# KiCad board spleeb.kicad_pcb (continued)
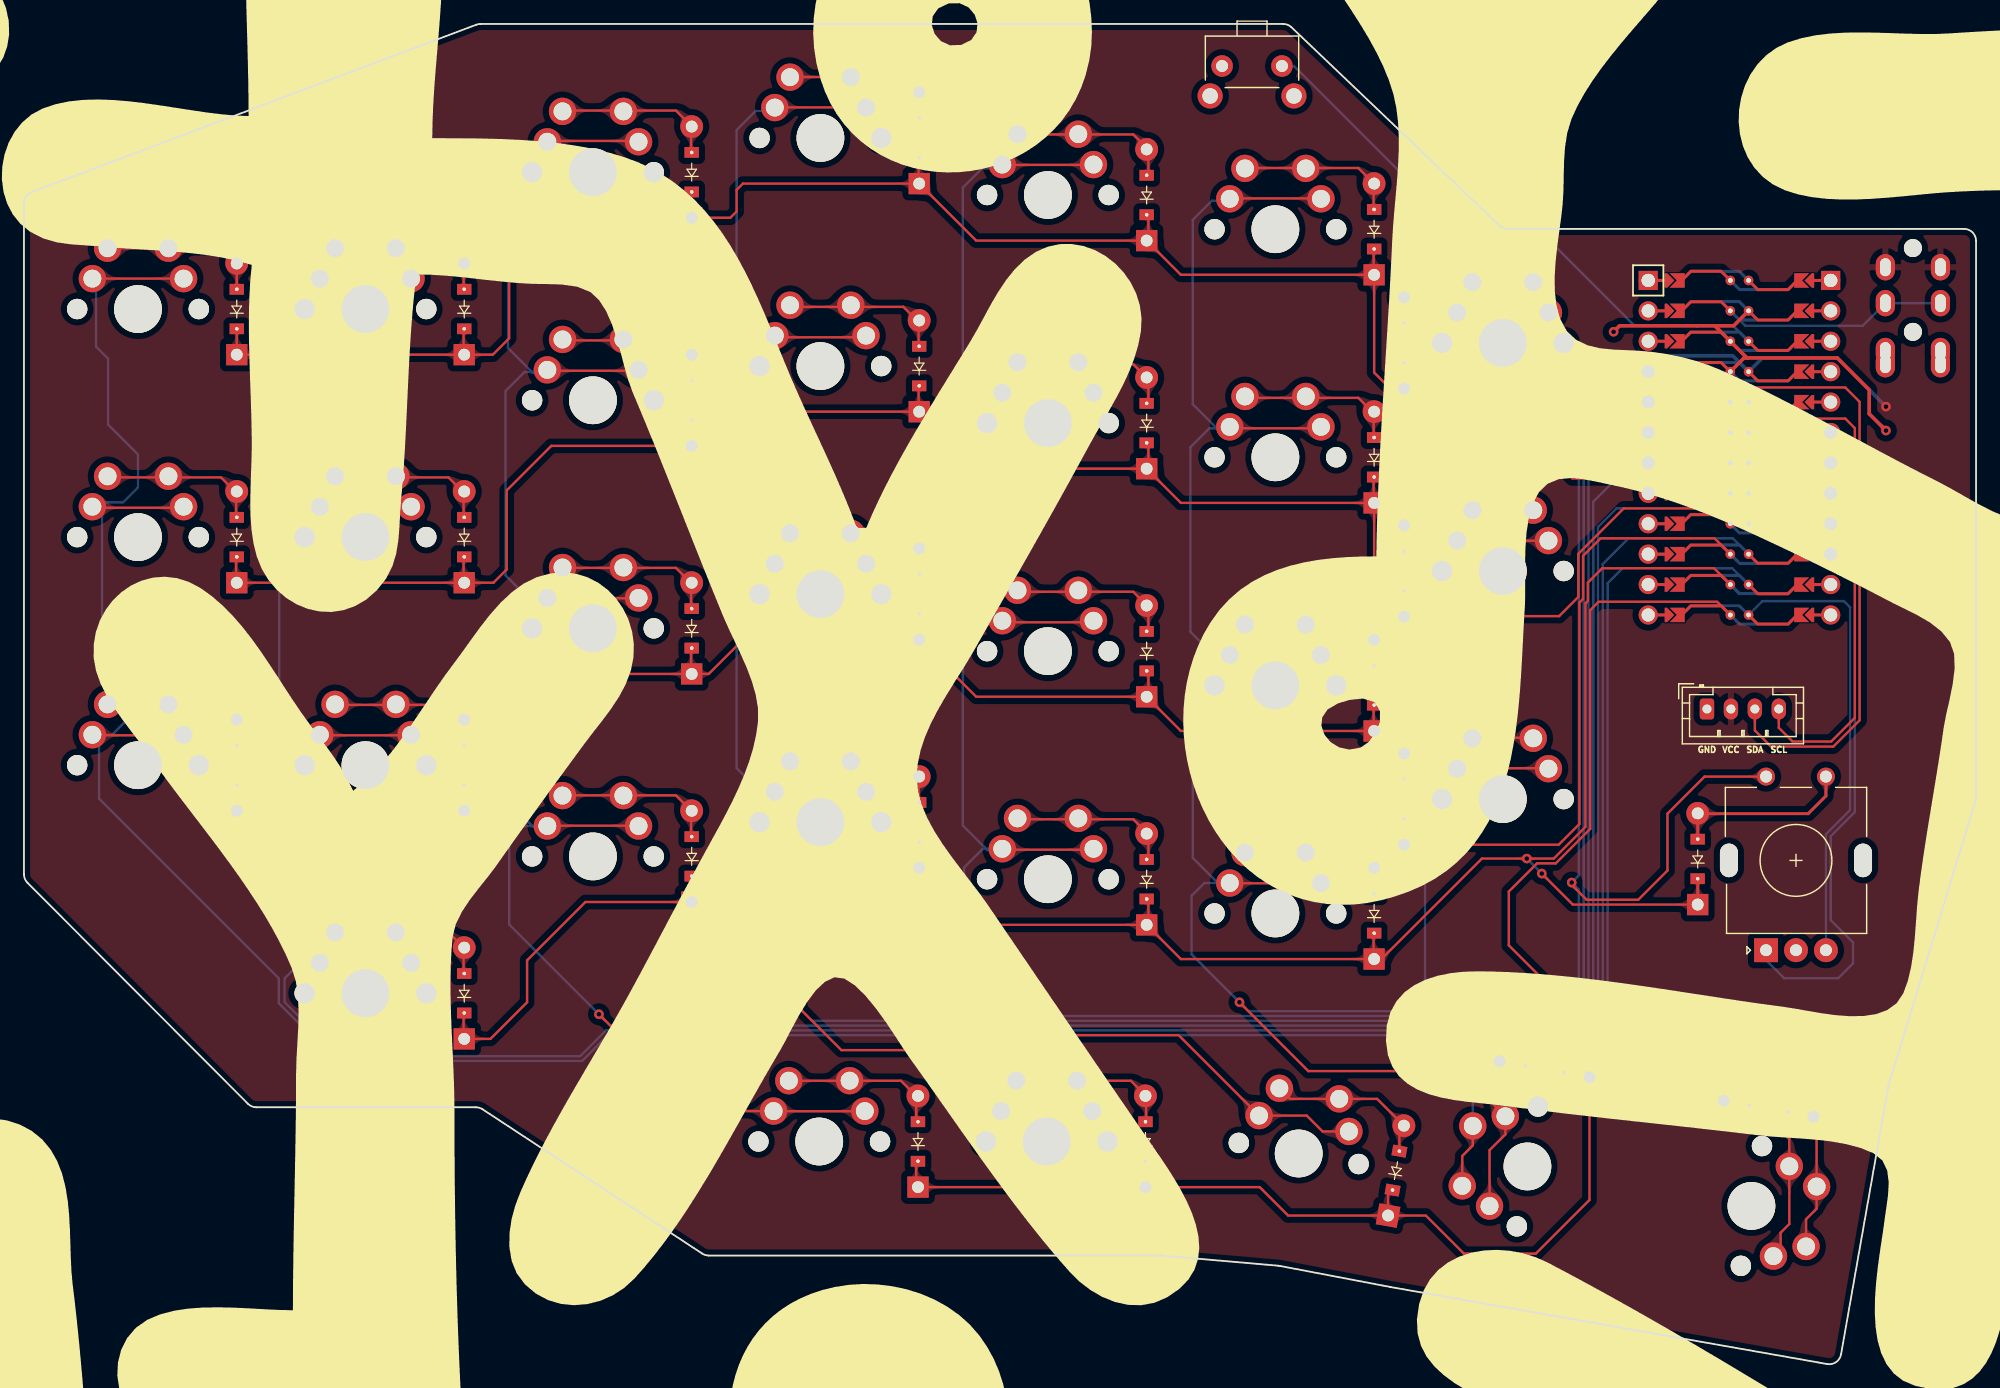
[diagram p0: board, top side]
## Copper pours and planes (outline as drawn; the poured copper is in the pictures) (continued)
middle_col on Bottom: 60.54,47.61 60.73,47.76 60.9,47.81 61.05,47.79 61.2,47.71 61.35,47.57 61.49,47.41 61.65,47.24 61.82,47.06 62.01,46.9 62.22,46.77 63.29,47.8 61.91,48.61 61.75,48.47 61.6,48.37 61.46,48.3 61.32,48.25 61.18,48.2 61.04,48.16 60.89,48.1 60.74,48.02 60.58,47.91 60.4,47.75
middle_col on Bottom: 60.65,67.2 60.82,67.04 60.96,66.9 61.09,66.78 61.2,66.69 61.41,66.51 61.51,66.41 61.63,66.31 61.76,66.19 61.91,66.04 63.27,66.97 62.01,67.75 61.88,67.64 61.64,67.42 61.52,67.32 61.41,67.24 61.29,67.19 61.17,67.16 61.05,67.18 60.93,67.23 60.8,67.34
middle_home on Top: 74.83,66.21 74.84,66.43 74.87,66.61 74.93,66.76 75,66.89 75.08,67 75.18,67.11 75.28,67.22 75.39,67.34 75.5,67.48 75.61,67.66 74.8,68.59 73.9,67.75 73.99,67.56 74.09,67.4 74.18,67.27 74.28,67.15 74.37,67.04 74.45,66.92 74.52,66.79 74.58,66.63 74.61,66.44 74.63,66.21
middle_home on Top: 73.34,69.2 73.54,69.18 73.68,69.11 73.76,69 73.8,68.86 73.81,68.7 73.81,68.51 73.81,68.32 73.81,68.11 73.85,67.91 73.91,67.71 75.15,67.82 74.78,69.07 74.6,69.08 74.44,69.11 74.32,69.14 74.2,69.19 74.09,69.24 73.97,69.28 73.85,69.33 73.71,69.37 73.54,69.39 73.34,69.4
middle_home on Top: 71.3,69.4 71.04,69.42 70.83,69.46 70.66,69.53 70.51,69.62 70.39,69.73 70.27,69.84 70.14,69.97 70.01,70.11 69.84,70.24 69.64,70.37 68.5,69.43 69.48,68.32 69.71,68.43 69.89,68.54 70.05,68.66 70.32,68.88 70.46,68.99 70.62,69.07 70.8,69.14 71.02,69.19 71.3,69.2
middle_home on Top: 66.78,69.2 67.06,69.19 67.29,69.14 67.48,69.08 67.64,68.99 67.78,68.89 68.06,68.66 68.22,68.54 68.42,68.43 68.65,68.32 69.63,69.43 68.49,70.38 68.28,70.24 68.12,70.11 67.97,69.97 67.84,69.84 67.72,69.72 67.59,69.62 67.44,69.53 67.26,69.46 67.05,69.42 66.78,69.4
middle_home on Top: 66.22,69.4 65.96,69.42 65.75,69.46 65.58,69.53 65.43,69.62 65.31,69.73 65.19,69.84 65.06,69.97 64.93,70.11 64.76,70.24 64.56,70.37 63.42,69.43 64.4,68.32 64.63,68.43 64.81,68.54 64.97,68.66 65.24,68.88 65.38,68.99 65.54,69.07 65.72,69.14 65.94,69.19 66.22,69.2
middle_number on Top: 73.39,107.4 73.59,107.38 73.72,107.31 73.8,107.2 73.84,107.06 73.84,106.89 73.83,106.7 73.82,106.5 73.81,106.29 73.83,106.08 73.88,105.88 75.12,105.89 74.78,107.17 74.6,107.18 74.45,107.22 74.33,107.26 74.22,107.32 74.11,107.39 74,107.45 73.89,107.51 73.75,107.56 73.59,107.59 73.39,107.6
middle_number on Top: 74.83,104.33 74.84,104.55 74.87,104.73 74.93,104.88 75,105 75.09,105.11 75.18,105.22 75.29,105.32 75.39,105.44 75.5,105.59 75.61,105.76 74.8,106.69 73.9,105.85 73.99,105.66 74.08,105.51 74.18,105.38 74.28,105.26 74.37,105.15 74.45,105.03 74.52,104.9 74.58,104.74 74.61,104.56 74.63,104.33
middle_number on Top: 71.3,107.6 71.03,107.62 70.81,107.66 70.64,107.73 70.49,107.82 70.35,107.92 70.23,108.04 70.09,108.16 69.94,108.28 69.77,108.41 69.55,108.52 68.49,107.48 69.57,106.47 69.79,106.59 69.96,106.71 70.11,106.84 70.24,106.96 70.36,107.08 70.49,107.18 70.64,107.27 70.82,107.34 71.03,107.39 71.3,107.4
middle_number on Top: 66.77,107.4 67.04,107.39 67.27,107.34 67.45,107.27 67.6,107.19 67.74,107.08 67.87,106.97 68.01,106.84 68.16,106.72 68.34,106.59 68.56,106.47 69.64,107.48 68.58,108.52 68.36,108.4 68.17,108.28 68.02,108.15 67.88,108.03 67.75,107.92 67.61,107.81 67.45,107.73 67.27,107.66 67.05,107.62 66.77,107.6
middle_number on Top: 66.22,107.6 65.95,107.62 65.73,107.66 65.56,107.73 65.41,107.82 65.27,107.92 65.15,108.04 65.01,108.16 64.86,108.28 64.69,108.41 64.47,108.52 63.41,107.48 64.49,106.47 64.71,106.59 64.88,106.71 65.03,106.84 65.16,106.96 65.28,107.08 65.41,107.18 65.56,107.27 65.74,107.34 65.95,107.39 66.22,107.4
middle_top on Top: 71.3,88.4 71.04,88.42 70.83,88.46 70.67,88.53 70.53,88.62 70.4,88.73 70.29,88.85 70.17,88.98 70.04,89.12 69.88,89.26 69.69,89.4 68.5,88.51 69.43,87.36 69.67,87.45 69.86,87.56 70.02,87.67 70.17,87.78 70.3,87.89 70.45,87.99 70.61,88.07 70.79,88.14 71.02,88.19 71.3,88.2
middle_top on Top: 73.34,88.2 73.54,88.18 73.67,88.11 73.76,88 73.8,87.86 73.81,87.7 73.81,87.52 73.81,87.32 73.82,87.12 73.86,86.92 73.93,86.73 75.16,86.89 74.78,88.12 74.6,88.13 74.45,88.15 74.32,88.18 74.2,88.22 74.09,88.26 73.97,88.3 73.85,88.34 73.71,88.37 73.54,88.39 73.34,88.4
middle_top on Top: 66.78,88.2 67.07,88.19 67.3,88.14 67.49,88.08 67.65,87.99 67.8,87.89 67.94,87.79 68.09,87.67 68.26,87.56 68.45,87.45 68.69,87.36 69.63,88.51 68.45,89.4 68.25,89.26 68.09,89.12 67.95,88.98 67.83,88.85 67.71,88.73 67.58,88.62 67.43,88.53 67.26,88.46 67.04,88.42 66.78,88.4
middle_top on Top: 74.83,85.26 74.84,85.48 74.87,85.66 74.93,85.81 75,85.94 75.08,86.05 75.18,86.16 75.28,86.27 75.39,86.39 75.5,86.53 75.61,86.71 74.8,87.64 73.9,86.8 73.99,86.61 74.09,86.45 74.18,86.32 74.28,86.2 74.37,86.09 74.45,85.97 74.52,85.84 74.58,85.68 74.61,85.49 74.63,85.26
middle_top on Top: 66.22,88.4 65.96,88.42 65.75,88.46 65.59,88.53 65.45,88.62 65.32,88.73 65.21,88.85 65.09,88.98 64.96,89.12 64.8,89.26 64.61,89.4 63.42,88.51 64.35,87.36 64.59,87.45 64.78,87.56 64.94,87.67 65.09,87.78 65.22,87.89 65.37,87.99 65.53,88.07 65.71,88.14 65.94,88.19 66.22,88.2
mod_one_mods on Top: 71.1,23.76 70.84,23.78 70.64,23.82 70.47,23.89 70.34,23.98 70.21,24.09 70.1,24.21 69.98,24.33 69.84,24.45 69.67,24.58 69.47,24.69 68.39,23.67 69.46,22.64 69.66,22.75 69.83,22.87 69.97,22.99 70.09,23.12 70.21,23.23 70.33,23.34 70.47,23.43 70.64,23.5 70.84,23.54 71.1,23.56
mod_one_mods on Top: 66.67,23.56 66.95,23.55 67.17,23.5 67.35,23.43 67.51,23.35 67.65,23.24 67.78,23.13 67.92,23.01 68.07,22.88 68.25,22.76 68.47,22.64 69.54,23.67 68.46,24.69 68.24,24.57 68.06,24.44 67.91,24.32 67.77,24.19 67.64,24.08 67.51,23.98 67.35,23.89 67.17,23.82 66.95,23.78 66.67,23.76
mod_one_mods on Top: 74.63,20.5 74.64,20.71 74.67,20.89 74.73,21.03 74.8,21.15 74.89,21.26 74.99,21.36 75.1,21.46 75.22,21.57 75.34,21.7 75.46,21.85 74.75,22.87 73.76,22.12 73.84,21.92 73.92,21.75 74.01,21.61 74.09,21.48 74.18,21.36 74.26,21.23 74.32,21.1 74.38,20.93 74.41,20.74 74.43,20.5
mod_one_mods on Top: 73.25,23.56 73.46,23.53 73.6,23.46 73.68,23.35 73.72,23.2 73.73,23.02 73.72,22.83 73.71,22.62 73.71,22.4 73.75,22.19 73.82,21.98 75.05,22.1 74.68,23.35 74.49,23.36 74.34,23.39 74.22,23.44 74.1,23.5 73.99,23.56 73.88,23.62 73.76,23.67 73.62,23.72 73.45,23.75 73.25,23.76
mod_one_mods on Top: 66.02,23.76 65.76,23.78 65.56,23.82 65.39,23.89 65.26,23.98 65.13,24.09 65.02,24.21 64.9,24.33 64.76,24.45 64.59,24.58 64.39,24.69 63.31,23.67 64.38,22.64 64.58,22.75 64.75,22.87 64.89,22.99 65.01,23.12 65.13,23.23 65.25,23.34 65.39,23.43 65.56,23.5 65.76,23.54 66.02,23.56
mod_two_mods on Top: 93.83,20.49 93.84,20.72 93.87,20.91 93.93,21.07 94,21.2 94.08,21.32 94.17,21.43 94.27,21.55 94.36,21.68 94.46,21.84 94.55,22.03 93.65,22.87 92.84,21.94 92.95,21.76 93.06,21.62 93.17,21.5 93.27,21.39 93.37,21.28 93.45,21.17 93.52,21.04 93.58,20.89 93.61,20.71 93.63,20.49
mod_two_mods on Top: 92.34,23.56 92.53,23.54 92.65,23.47 92.73,23.37 92.76,23.24 92.76,23.08 92.75,22.9 92.73,22.71 92.72,22.51 92.73,22.31 92.77,22.12 94,22.05 93.68,23.35 93.51,23.36 93.36,23.39 93.24,23.44 93.14,23.5 93.04,23.56 92.93,23.62 92.82,23.67 92.69,23.72 92.53,23.75 92.34,23.76
mod_two_mods on Top: 90.26,23.76 89.98,23.78 89.76,23.82 89.58,23.89 89.42,23.98 89.29,24.08 89.16,24.19 89.02,24.32 88.87,24.44 88.69,24.57 88.47,24.69 87.39,23.67 88.46,22.64 88.68,22.76 88.86,22.88 89.01,23.01 89.15,23.13 89.28,23.24 89.42,23.35 89.58,23.43 89.76,23.5 89.98,23.55 90.26,23.56
mod_two_mods on Top: 85.73,23.56 86,23.55 86.22,23.5 86.39,23.43 86.54,23.34 86.68,23.24 86.8,23.12 86.93,23 87.08,22.88 87.26,22.75 87.47,22.64 88.54,23.67 87.46,24.69 87.25,24.57 87.07,24.45 86.93,24.32 86.8,24.2 86.67,24.08 86.54,23.98 86.39,23.89 86.21,23.82 86,23.78 85.73,23.76
mod_two_mods on Top: 85.18,23.76 84.9,23.78 84.68,23.82 84.5,23.89 84.34,23.98 84.21,24.08 84.08,24.19 83.94,24.32 83.79,24.44 83.61,24.57 83.39,24.69 82.31,23.67 83.38,22.64 83.6,22.76 83.78,22.88 83.93,23.01 84.07,23.13 84.2,23.24 84.34,23.35 84.5,23.43 84.68,23.5 84.9,23.55 85.18,23.56
mods_row on Top: 95.44,14.88 95.23,14.89 95.06,14.92 94.92,14.97 94.8,15.04 94.69,15.12 94.59,15.2 94.49,15.3 94.37,15.39 94.23,15.49 94.06,15.58 93.23,14.78 94.06,13.98 94.23,14.07 94.37,14.17 94.49,14.26 94.59,14.35 94.69,14.44 94.8,14.52 94.92,14.58 95.06,14.63 95.23,14.67 95.44,14.68
mods_row on Top: 76.44,14.88 76.23,14.89 76.06,14.92 75.92,14.97 75.8,15.04 75.69,15.12 75.59,15.2 75.49,15.3 75.37,15.39 75.23,15.49 75.06,15.58 74.23,14.78 75.06,13.98 75.23,14.07 75.37,14.17 75.49,14.26 75.59,14.35 75.69,14.44 75.8,14.52 75.92,14.58 76.06,14.63 76.23,14.67 76.44,14.68
mods_row on Top: 115.71,12.5 115.5,12.52 115.33,12.55 115.18,12.6 115.06,12.66 114.96,12.74 114.86,12.83 114.75,12.92 114.63,13.02 114.49,13.11 114.33,13.2 113.49,12.4 114.33,11.6 114.49,11.7 114.63,11.79 114.75,11.89 114.86,11.98 114.96,12.07 115.06,12.14 115.18,12.21 115.33,12.26 115.5,12.29 115.71,12.3
mods_row on Top: 93.63,16.54 93.61,16.33 93.58,16.17 93.53,16.03 93.46,15.91 93.38,15.81 93.3,15.71 93.2,15.61 93.1,15.5 93,15.37 92.9,15.21 93.65,14.33 94.5,15.12 94.41,15.29 94.32,15.44 94.23,15.56 94.14,15.67 94.06,15.78 93.98,15.89 93.92,16.01 93.87,16.15 93.84,16.33 93.83,16.54
mods_row on Top: 91.91,14.68 92.12,14.67 92.29,14.63 92.43,14.58 92.55,14.52 92.66,14.44 92.76,14.35 92.86,14.26 92.98,14.17 93.12,14.07 93.29,13.98 94.12,14.78 93.29,15.58 93.12,15.49 92.98,15.39 92.86,15.3 92.76,15.2 92.66,15.12 92.55,15.04 92.43,14.97 92.29,14.92 92.12,14.89 91.91,14.88
mods_row on Top: 130.86,22.2 130.87,22.41 130.91,22.58 130.96,22.72 131.02,22.84 131.1,22.95 131.19,23.05 131.28,23.16 131.37,23.27 131.47,23.41 131.56,23.58 130.76,24.41 129.96,23.58 130.05,23.41 130.15,23.27 130.24,23.16 130.34,23.05 130.42,22.95 130.5,22.84 130.57,22.72 130.62,22.58 130.65,22.41 130.66,22.2
mods_row on Top: 113.89,14.25 113.77,14.11 113.68,13.98 113.63,13.85 113.6,13.73 113.58,13.62 113.56,13.5 113.53,13.39 113.49,13.27 113.42,13.16 113.31,13.03 113.94,11.96 114.74,12.79 114.63,12.96 114.5,13.11 114.36,13.24 114.21,13.36 114.08,13.47 113.97,13.59 113.89,13.7 113.87,13.82 113.91,13.96 114.03,14.1
mods_row on Top: 143.67,21.72 143.49,21.73 143.35,21.76 143.23,21.81 143.14,21.88 143.06,21.97 142.98,22.07 142.91,22.18 142.84,22.3 142.76,22.42 142.66,22.56 141.57,22.18 141.99,21.1 142.2,21.12 142.37,21.15 142.53,21.2 142.66,21.26 142.79,21.32 142.93,21.38 143.07,21.43 143.24,21.48 143.44,21.51 143.67,21.52
mods_row on Top: 129.06,24.24 129.24,24.23 129.38,24.2 129.5,24.15 129.59,24.08 129.67,23.99 129.75,23.89 129.82,23.78 129.89,23.66 129.97,23.54 130.08,23.4 131.17,23.78 130.74,24.86 130.53,24.84 130.36,24.81 130.2,24.76 130.07,24.7 129.94,24.64 129.8,24.58 129.66,24.53 129.49,24.48 129.3,24.45 129.06,24.44
mods_row on Top: 112.17,12.3 112.38,12.29 112.55,12.26 112.69,12.21 112.81,12.14 112.92,12.07 113.02,11.98 113.13,11.89 113.24,11.79 113.38,11.7 113.55,11.6 114.38,12.4 113.55,13.2 113.38,13.11 113.24,13.02 113.13,12.92 113.02,12.83 112.92,12.74 112.81,12.66 112.69,12.6 112.55,12.55 112.38,12.52 112.17,12.5
mods_row on Top: 74.43,16.54 74.41,16.32 74.38,16.14 74.33,15.98 74.27,15.85 74.2,15.74 74.12,15.62 74.04,15.5 73.96,15.37 73.89,15.21 73.82,15.02 74.75,14.34 75.4,15.3 75.28,15.44 75.17,15.56 75.06,15.66 74.96,15.75 74.87,15.84 74.79,15.94 74.72,16.05 74.67,16.18 74.64,16.34 74.63,16.54
mods_row on Top: 132.53,24.07 132.32,24.08 132.15,24.11 132.01,24.16 131.89,24.23 131.78,24.31 131.68,24.39 131.57,24.48 131.46,24.58 131.32,24.68 131.15,24.77 130.32,23.97 131.15,23.17 131.32,23.26 131.46,23.36 131.57,23.45 131.68,23.54 131.78,23.63 131.89,23.71 132.01,23.77 132.15,23.82 132.32,23.86 132.53,23.87
mods_row on Top: 140.2,21.89 140.41,21.88 140.58,21.85 140.72,21.8 140.84,21.73 140.95,21.65 141.05,21.57 141.16,21.48 141.27,21.38 141.41,21.28 141.58,21.19 142.41,21.99 141.58,22.79 141.41,22.7 141.27,22.6 141.16,22.51 141.05,22.42 140.95,22.33 140.84,22.25 140.72,22.19 140.58,22.14 140.41,22.1 140.2,22.09
near_mods on Top: 112.14,22.25 111.87,22.27 111.65,22.31 111.46,22.38 111.31,22.46 111.17,22.57 111.04,22.68 110.91,22.81 110.76,22.93 110.58,23.06 110.36,23.18 109.29,22.15 110.36,21.12 110.58,21.24 110.76,21.37 110.91,21.49 111.04,21.62 111.17,21.73 111.31,21.84 111.46,21.92 111.65,21.99 111.87,22.03 112.14,22.05
near_mods on Top: 106.78,22.25 106.59,22.27 106.44,22.31 106.32,22.39 106.23,22.49 106.17,22.61 106.12,22.74 106.07,22.9 106.03,23.06 105.99,23.23 105.93,23.41 104.45,23.43 104.86,21.89 105.09,21.89 105.29,21.91 105.47,21.92 105.63,21.95 105.93,21.99 106.1,22.02 106.29,22.03 106.52,22.05 106.78,22.05
near_mods on Top: 114.99,18.07 115,18.27 115.03,18.42 115.09,18.55 115.17,18.65 115.26,18.74 115.36,18.82 115.48,18.9 115.61,18.98 115.75,19.08 115.89,19.19 115.45,20.35 114.31,19.86 114.33,19.64 114.38,19.45 114.43,19.29 114.5,19.14 114.56,19 114.63,18.86 114.69,18.71 114.74,18.53 114.77,18.32 114.79,18.07
near_mods on Top: 113.85,21.18 114,21.01 114.1,20.86 114.17,20.71 114.21,20.57 114.23,20.43 114.24,20.29 114.25,20.14 114.27,19.97 114.3,19.79 114.36,19.6 115.6,19.57 115.57,20.81 115.38,20.87 115.2,20.9 115.03,20.92 114.88,20.92 114.74,20.94 114.6,20.96 114.46,21 114.31,21.07 114.16,21.17 113.99,21.32
near_mods on Top: 107.58,22.05 107.85,22.03 108.07,21.99 108.25,21.92 108.41,21.84 108.54,21.73 108.67,21.62 108.81,21.49 108.96,21.37 109.14,21.24 109.36,21.12 110.43,22.15 109.36,23.18 109.14,23.06 108.96,22.93 108.81,22.81 108.67,22.68 108.54,22.57 108.41,22.46 108.25,22.38 108.07,22.31 107.85,22.27 107.58,22.25
number_row on Top: 111.01,90.88 111.22,90.87 111.39,90.83 111.53,90.78 111.65,90.72 111.76,90.64 111.86,90.55 111.96,90.46 112.08,90.37 112.22,90.27 112.39,90.18 113.22,90.98 112.39,91.78 112.22,91.69 112.08,91.59 111.96,91.5 111.86,91.4 111.76,91.32 111.65,91.24 111.53,91.17 111.39,91.12 111.22,91.09 111.01,91.08
number_row on Top: 19.54,84.41 19.33,84.42 19.16,84.46 19.02,84.51 18.9,84.57 18.79,84.65 18.69,84.74 18.59,84.83 18.47,84.92 18.33,85.02 18.16,85.11 17.33,84.31 18.16,83.51 18.33,83.6 18.47,83.7 18.59,83.79 18.69,83.89 18.79,83.97 18.9,84.05 19.02,84.12 19.16,84.17 19.33,84.2 19.54,84.21
number_row on Top: 38.54,84.41 38.33,84.42 38.16,84.46 38.02,84.51 37.9,84.57 37.79,84.65 37.69,84.74 37.59,84.83 37.47,84.92 37.33,85.02 37.16,85.11 36.33,84.31 37.16,83.51 37.33,83.6 37.47,83.7 37.59,83.79 37.69,83.89 37.79,83.97 37.9,84.05 38.02,84.12 38.16,84.17 38.33,84.2 38.54,84.21
number_row on Top: 92.01,93.74 92.22,93.72 92.39,93.69 92.53,93.64 92.65,93.58 92.76,93.5 92.86,93.41 92.96,93.32 93.08,93.22 93.22,93.13 93.39,93.04 94.22,93.84 93.39,94.64 93.22,94.54 93.08,94.45 92.96,94.35 92.86,94.26 92.76,94.17 92.65,94.1 92.53,94.03 92.39,93.98 92.22,93.95 92.01,93.94
number_row on Top: 93.83,95.58 93.81,95.38 93.78,95.22 93.73,95.1 93.66,94.99 93.58,94.89 93.49,94.8 93.39,94.71 93.28,94.61 93.17,94.5 93.05,94.36 93.7,93.4 94.63,94.08 94.57,94.27 94.49,94.42 94.41,94.56 94.33,94.67 94.25,94.79 94.18,94.9 94.12,95.03 94.07,95.18 94.04,95.36 94.03,95.58
number_row on Top: 112.63,92.76 112.61,92.54 112.58,92.37 112.53,92.22 112.47,92.1 112.39,91.99 112.31,91.88 112.22,91.77 112.13,91.64 112.04,91.5 111.95,91.32 112.8,90.53 113.55,91.41 113.45,91.57 113.35,91.71 113.25,91.82 113.15,91.92 113.06,92.02 112.99,92.12 112.92,92.24 112.87,92.38 112.84,92.55 112.83,92.76
number_row on Top: 55.63,97.52 55.61,97.3 55.58,97.13 55.53,96.98 55.47,96.86 55.39,96.75 55.31,96.64 55.22,96.53 55.13,96.41 55.04,96.26 54.95,96.08 55.8,95.3 56.55,96.17 56.45,96.33 56.35,96.47 56.25,96.58 56.15,96.68 56.06,96.78 55.99,96.89 55.92,97 55.87,97.14 55.84,97.31 55.83,97.52
number_row on Top: 117.04,81.58 116.83,81.59 116.66,81.62 116.52,81.67 116.4,81.74 116.29,81.82 116.19,81.9 116.09,82 115.97,82.09 115.83,82.19 115.66,82.28 114.83,81.48 115.66,80.68 115.83,80.77 115.97,80.87 116.09,80.96 116.19,81.05 116.29,81.14 116.4,81.22 116.52,81.28 116.66,81.33 116.83,81.37 117.04,81.38
number_row on Top: 36.63,86.09 36.61,85.87 36.58,85.7 36.53,85.55 36.47,85.43 36.39,85.32 36.31,85.21 36.22,85.1 36.13,84.98 36.04,84.83 35.95,84.65 36.8,83.87 37.55,84.74 37.45,84.9 37.35,85.04 37.25,85.15 37.15,85.25 37.06,85.35 36.99,85.46 36.92,85.57 36.87,85.71 36.84,85.88 36.83,86.09
number_row on Top: 112.88,89.21 112.89,89.42 112.92,89.59 112.97,89.73 113.04,89.85 113.11,89.96 113.2,90.06 113.29,90.17 113.39,90.28 113.48,90.42 113.58,90.59 112.78,91.42 111.97,90.59 112.07,90.42 112.16,90.28 112.26,90.17 112.35,90.06 112.44,89.96 112.51,89.85 112.58,89.73 112.63,89.59 112.66,89.42 112.68,89.21
number_row on Top: 74.63,100.38 74.61,100.16 74.58,99.99 74.53,99.84 74.47,99.72 74.39,99.61 74.31,99.5 74.22,99.39 74.13,99.26 74.04,99.12 73.95,98.94 74.8,98.15 75.55,99.03 75.45,99.19 75.35,99.33 75.25,99.44 75.15,99.54 75.06,99.64 74.99,99.74 74.92,99.86 74.87,100 74.84,100.17 74.83,100.38
number_row on Top: 115.18,83.25 115.16,83.04 115.13,82.87 115.08,82.72 115.01,82.6 114.94,82.5 114.85,82.4 114.76,82.29 114.66,82.17 114.57,82.03 114.47,81.87 115.28,81.03 116.08,81.87 115.98,82.03 115.89,82.17 115.79,82.29 115.7,82.4 115.61,82.5 115.54,82.6 115.47,82.72 115.42,82.87 115.39,83.04 115.38,83.25
number_row on Top: 57.54,95.84 57.33,95.85 57.16,95.89 57.02,95.94 56.9,96 56.79,96.08 56.69,96.17 56.59,96.26 56.47,96.35 56.33,96.45 56.16,96.54 55.33,95.74 56.16,94.94 56.33,95.03 56.47,95.13 56.59,95.22 56.69,95.32 56.79,95.4 56.9,95.48 57.02,95.55 57.16,95.6 57.33,95.63 57.54,95.64
number_row on Top: 76.1,97.42 75.96,97.58 75.86,97.72 75.79,97.86 75.76,97.99 75.73,98.12 75.72,98.25 75.71,98.39 75.7,98.54 75.67,98.71 75.61,98.89 74.46,98.91 74.48,97.76 74.67,97.71 74.83,97.67 74.98,97.66 75.12,97.65 75.26,97.64 75.39,97.62 75.52,97.58 75.65,97.52 75.8,97.42 75.96,97.28
number_row on Top: 73.01,98.5 73.22,98.49 73.39,98.45 73.53,98.4 73.65,98.34 73.76,98.26 73.86,98.17 73.96,98.08 74.08,97.99 74.22,97.89 74.39,97.8 75.22,98.6 74.39,99.4 74.22,99.31 74.08,99.21 73.96,99.12 73.86,99.02 73.76,98.94 73.65,98.86 73.53,98.79 73.39,98.74 73.22,98.71 73.01,98.7
number_row on Top: 35.01,84.21 35.22,84.2 35.39,84.17 35.53,84.12 35.65,84.05 35.76,83.97 35.86,83.89 35.96,83.79 36.08,83.7 36.22,83.6 36.39,83.51 37.22,84.31 36.39,85.11 36.22,85.02 36.08,84.92 35.96,84.83 35.86,84.74 35.76,84.65 35.65,84.57 35.53,84.51 35.39,84.46 35.22,84.42 35.01,84.41
number_row on Top: 95.1,92.66 94.96,92.81 94.86,92.96 94.79,93.09 94.76,93.22 94.73,93.35 94.72,93.49 94.71,93.63 94.7,93.78 94.67,93.94 94.61,94.13 93.46,94.15 93.48,93 93.67,92.94 93.83,92.91 93.98,92.9 94.12,92.89 94.26,92.88 94.39,92.86 94.52,92.82 94.65,92.75 94.8,92.65 94.96,92.51
number_row on Top: 17.68,86.08 17.66,85.87 17.63,85.7 17.58,85.56 17.51,85.44 17.44,85.33 17.35,85.23 17.26,85.12 17.16,85.01 17.07,84.87 16.97,84.7 17.78,83.87 18.58,84.7 18.48,84.87 18.39,85.01 18.29,85.12 18.2,85.23 18.11,85.33 18.04,85.44 17.97,85.56 17.92,85.7 17.89,85.87 17.88,86.08
number_row on Top: 54.01,95.64 54.22,95.63 54.39,95.6 54.53,95.55 54.65,95.48 54.76,95.4 54.86,95.32 54.96,95.22 55.08,95.13 55.22,95.03 55.39,94.94 56.22,95.74 55.39,96.54 55.22,96.45 55.08,96.35 54.96,96.26 54.86,96.17 54.76,96.08 54.65,96 54.53,95.94 54.39,95.89 54.22,95.85 54.01,95.84
number_row on Top: 113.61,81.85 113.75,81.71 113.87,81.59 113.97,81.49 114.32,81.17 114.41,81.08 114.52,80.97 114.65,80.85 115.72,81.48 114.89,82.28 114.75,82.2 114.63,82.12 114.51,82.04 114.4,81.96 114.3,81.89 114.19,81.85 114.09,81.83 113.98,81.84 113.87,81.89 113.75,81.99
outer_col on Top: 11.04,52.42 11.32,52.41 11.54,52.36 11.73,52.29 11.89,52.21 12.03,52.11 12.16,51.99 12.3,51.87 12.46,51.75 12.65,51.63 12.87,51.52 13.91,52.58 12.8,53.57 12.59,53.44 12.41,53.31 12.26,53.18 12.13,53.06 12,52.94 11.87,52.84 11.71,52.75 11.53,52.68 11.31,52.64 11.04,52.62
outer_col on Top: 8,90.76 7.73,90.78 7.5,90.82 7.32,90.89 7.17,90.98 7.03,91.08 6.9,91.19 6.76,91.32 6.61,91.44 6.43,91.57 6.21,91.69 5.14,90.66 6.21,89.63 6.43,89.75 6.61,89.88 6.76,90.01 6.9,90.13 7.03,90.24 7.17,90.35 7.32,90.43 7.5,90.5 7.73,90.55 8,90.56
outer_col on Top: 11.05,71.42 11.33,71.41 11.56,71.36 11.75,71.3 11.91,71.21 12.05,71.11 12.33,70.88 12.5,70.77 12.69,70.65 12.92,70.55 13.9,71.66 12.76,72.6 12.55,72.46 12.38,72.33 12.24,72.19 12.11,72.06 11.99,71.94 11.86,71.84 11.71,71.75 11.53,71.68 11.32,71.64 11.05,71.62
outer_col on Top: 7.95,71.62 7.69,71.64 7.48,71.68 7.31,71.75 7.16,71.84 7.04,71.95 6.92,72.06 6.8,72.19 6.66,72.33 6.5,72.46 6.3,72.6 5.15,71.66 6.13,70.54 6.35,70.65 6.54,70.76 6.7,70.88 6.97,71.1 7.11,71.21 7.27,71.29 7.45,71.36 7.67,71.41 7.95,71.42
outer_col on Top: 7.95,52.62 7.68,52.64 7.47,52.68 7.3,52.75 7.15,52.84 7.02,52.94 6.9,53.06 6.77,53.19 6.63,53.32 6.46,53.45 6.25,53.57 5.14,52.58 6.18,51.51 6.4,51.63 6.58,51.75 6.73,51.87 6.86,51.99 6.99,52.1 7.13,52.2 7.28,52.29 7.46,52.36 7.68,52.41 7.95,52.42
outer_col on Top: 11.05,90.56 11.32,90.55 11.55,90.5 11.73,90.43 11.88,90.35 12.02,90.24 12.15,90.13 12.29,90.01 12.44,89.88 12.62,89.75 12.84,89.63 13.91,90.66 12.84,91.69 12.62,91.57 12.44,91.44 12.29,91.32 12.15,91.19 12.02,91.08 11.88,90.98 11.73,90.89 11.55,90.82 11.32,90.78 11.05,90.76
outer_col on Bottom: 7.55,52.89 7.4,52.77 7.26,52.73 7.14,52.75 7.02,52.82 6.91,52.93 6.79,53.06 6.67,53.21 6.53,53.35 6.38,53.48 6.21,53.59 5.14,52.56 6.52,51.75 6.66,51.88 6.78,51.99 6.89,52.08 6.99,52.16 7.19,52.3 7.29,52.38 7.41,52.48 7.54,52.6 7.69,52.75
outer_col on Bottom: 6.13,88.41 6.14,88.7 6.18,88.95 6.25,89.15 6.33,89.32 6.42,89.48 6.51,89.64 6.61,89.8 6.7,89.98 6.78,90.2 6.84,90.46 5.56,91.21 4.86,89.9 5.02,89.74 5.18,89.6 5.33,89.48 5.47,89.38 5.59,89.27 5.71,89.16 5.8,89.02 5.87,88.86 5.91,88.66 5.93,88.41
outer_col on Bottom: 7.95,72.07 7.65,72.09 7.41,72.13 7.2,72.19 7.02,72.27 6.86,72.36 6.7,72.45 6.54,72.54 6.35,72.62 6.13,72.69 5.87,72.74 5.17,71.43 6.51,70.79 6.67,70.96 6.79,71.12 6.91,71.27 7.01,71.41 7.11,71.54 7.22,71.65 7.35,71.74 7.51,71.81 7.71,71.86 7.95,71.87
outer_col on Bottom: 6.63,69.65 6.63,69.92 6.65,70.15 6.68,70.35 6.71,70.52 6.74,70.67 6.78,70.83 6.81,70.99 6.83,71.17 6.85,71.37 6.86,71.61 5.31,72.02 5.34,70.53 5.51,70.48 5.68,70.43 5.83,70.38 5.98,70.34 6.1,70.28 6.21,70.21 6.3,70.11 6.37,69.99 6.41,69.84 6.43,69.65
outer_col on Bottom: 6.38,50.42 6.39,50.72 6.43,50.97 6.48,51.18 6.55,51.37 6.62,51.53 6.69,51.7 6.75,51.87 6.81,52.07 6.84,52.29 6.86,52.56 5.44,53.06 5.06,51.62 5.24,51.51 5.41,51.42 5.57,51.33 5.71,51.26 5.84,51.17 5.96,51.08 6.05,50.96 6.12,50.82 6.16,50.64 6.18,50.42
outer_home on Top: 17.9,51.93 17.91,52.15 17.95,52.34 18,52.49 18.07,52.62 18.15,52.74 18.24,52.85 18.33,52.96 18.43,53.09 18.53,53.24 18.63,53.42 17.78,54.31 16.92,53.42 17.02,53.24 17.12,53.09 17.22,52.96 17.31,52.85 17.4,52.74 17.48,52.62 17.55,52.49 17.6,52.34 17.64,52.15 17.65,51.93
outer_home on Top: 9.77,54.96 10.05,54.95 10.27,54.9 10.46,54.83 10.62,54.75 10.76,54.65 10.89,54.53 11.03,54.41 11.19,54.29 11.38,54.17 11.6,54.06 12.64,55.12 11.53,56.11 11.32,55.98 11.14,55.85 10.99,55.72 10.86,55.6 10.73,55.48 10.6,55.38 10.44,55.29 10.26,55.22 10.04,55.18 9.77,55.16
outer_home on Top: 9.22,55.16 8.95,55.18 8.74,55.22 8.57,55.29 8.42,55.38 8.29,55.48 8.17,55.6 8.04,55.73 7.9,55.86 7.73,55.99 7.52,56.11 6.41,55.12 7.45,54.05 7.67,54.17 7.85,54.29 8,54.41 8.13,54.53 8.26,54.64 8.4,54.74 8.55,54.83 8.73,54.9 8.95,54.95 9.22,54.96
outer_home on Top: 14.3,55.16 14.03,55.18 13.82,55.22 13.65,55.29 13.5,55.38 13.37,55.48 13.25,55.6 13.12,55.73 12.98,55.86 12.81,55.99 12.6,56.11 11.49,55.12 12.53,54.05 12.75,54.17 12.93,54.29 13.08,54.41 13.21,54.53 13.34,54.64 13.48,54.74 13.63,54.83 13.81,54.9 14.03,54.95 14.3,54.96
outer_home on Top: 16.35,54.96 16.55,54.94 16.69,54.87 16.77,54.76 16.81,54.62 16.82,54.46 16.82,54.27 16.81,54.07 16.81,53.87 16.84,53.66 16.9,53.46 18.13,53.52 17.78,54.78 17.6,54.79 17.45,54.82 17.32,54.87 17.2,54.92 17.09,54.97 16.98,55.03 16.86,55.08 16.72,55.12 16.55,55.15 16.35,55.16
outer_number on Top: 14.35,93.3 14.08,93.32 13.85,93.36 13.67,93.43 13.52,93.52 13.38,93.62 13.25,93.73 13.11,93.86 12.96,93.98 12.78,94.11 12.56,94.23 11.49,93.2 12.56,92.17 12.78,92.29 12.96,92.42 13.11,92.55 13.25,92.67 13.38,92.78 13.52,92.89 13.67,92.97 13.85,93.04 14.08,93.09 14.35,93.1
outer_number on Top: 9.78,93.1 10.05,93.09 10.28,93.04 10.46,92.97 10.61,92.89 10.75,92.78 10.88,92.67 11.02,92.55 11.17,92.42 11.35,92.29 11.57,92.17 12.64,93.2 11.57,94.23 11.35,94.11 11.17,93.98 11.02,93.86 10.88,93.73 10.75,93.62 10.61,93.52 10.46,93.43 10.28,93.36 10.05,93.32 9.78,93.3
outer_number on Top: 16.39,93.1 16.59,93.08 16.72,93.01 16.79,92.9 16.83,92.77 16.84,92.61 16.83,92.42 16.82,92.23 16.81,92.02 16.83,91.82 16.88,91.62 18.11,91.59 17.78,92.88 17.6,92.9 17.45,92.93 17.33,92.97 17.22,93.03 17.11,93.09 17,93.15 16.89,93.21 16.75,93.26 16.59,93.29 16.39,93.3
outer_number on Top: 9.27,93.3 9,93.32 8.77,93.36 8.59,93.43 8.44,93.52 8.3,93.62 8.17,93.73 8.03,93.86 7.88,93.98 7.7,94.11 7.48,94.23 6.41,93.2 7.48,92.17 7.7,92.29 7.88,92.42 8.03,92.55 8.17,92.67 8.3,92.78 8.44,92.89 8.59,92.97 8.77,93.04 9,93.09 9.27,93.1
